# Altium PCB TransceiverBoard.PcbDoc (part 1 of 2) (continued)
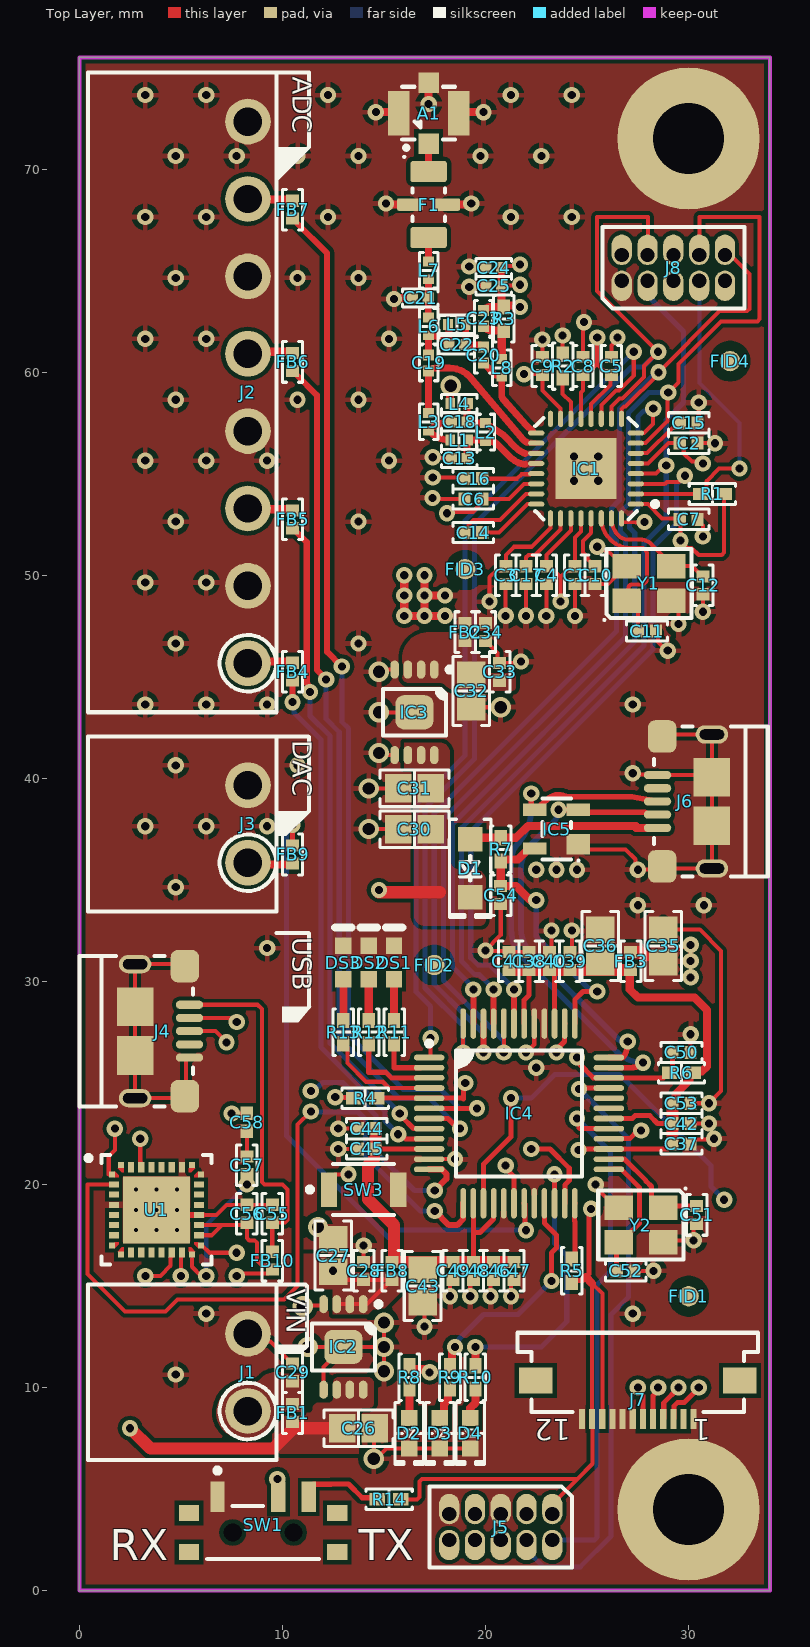
[diagram p0: Top Layer view]
## Part data (continued)
DS1 DS2 DS3: library part CMP-2000-07115-1, "Standard Type Mini-Molded Chip LED, Red, 2 V, 20 mA, -30 to 85 degC, 2-Pin SMD, RoHS, Tape and Reel", Color=Red, Forward (Drive) Current=20mA, Forward Voltage=2V, Manufacturer=Rohm, Package Description="2-Pin Surface Mount Device, Body 1.6 x 0.8 mm", Package Reference=SML-31X, Datasheet URL=http://media.digikey.com/pdf/Data%20Sheets/Rohm%20PDFs/SML-310%20Series.pdf, Datasheet Version="Rev. 1.1, 07/2004", Dimension=1.6x0.8x0.8mm, Intensity=4mcd, Lens Type=Clear, Manufacturer URL=http://www.rohm.com/web/global/, Mounting Technology=SurfaceMount, Viewing Angle=140°
F1: library part "SCH - RF - FILTER - MINICIRCUITS LFCN-490", "490MHz Low Pass Filter"
FB1 FB2 FB3 FB4 FB5 FB6 FB7 FB8 FB9 FB10: library part "Ferrite Chip", "Ferrite Beads Multi-Layer 1KOhm 25% 100MHz 350mA 490mOhm DCR 0402 T/R", Case Code (Imperial)=0402, Case Code (Metric)=1005, Current Rating=350mA, DC Resistance (DCR)=490mR, Manufacturer 1=Murata, Max Operating Temperature=125°C, Min Operating Temperature=-55°C, Package Quantity=1, Supplier Part Number 1=490-5442-1-ND, Test Frequency=100MHz, Tolerance=25%, Case/Package=0402, Category="Ferrite Beads and Chips", ComponentLink1Description=https://datasheet.ciiva.com/41425/001171674-da-01-en-chip-drossel0402-1000r-350ma-1-0x0-5mm-41425706.pdf?src-supplier=Conrad, ComponentLink1URL=https://datasheet.ciiva.com/41425/001171674-da-01-en-chip-drossel0402-1000r-350ma-1-0x0-5mm-41425706.pdf?src-supplier=Conrad, ComponentLink2Description=https://datasheet.ciiva.com/41449/001172166-da-01-en-drossel-0402-1000r-31-0x0-5mm-10000st-41449452.pdf?src-supplier=Conrad, ComponentLink2URL=https://datasheet.ciiva.com/41449/001172166-da-01-en-drossel-0402-1000r-31-0x0-5mm-10000st-41449452.pdf?src-supplier=Conrad, ComponentLink3Description=https://datasheet.ciiva.com/1012/l0110e-1012389.pdf?src-supplier=Digi-Key, ComponentLink3URL=https://datasheet.ciiva.com/1012/l0110e-1012389.pdf?src-supplier=Digi-Key, ComponentLink4Description=https://datasheet.ciiva.com/1012/l0110e-1012390.pdf?src-supplier=Digi-Key, ComponentLink4URL=https://datasheet.ciiva.com/1012/l0110e-1012390.pdf?src-supplier=Digi-Key, ComponentLink5Description=https://datasheet.ciiva.com/1012/l0110e-1012391.pdf?src-supplier=Digi-Key, ComponentLink5URL=https://datasheet.ciiva.com/1012/l0110e-1012391.pdf?src-supplier=Digi-Key, ComponentLink6Description=https://datasheet.ciiva.com/16420/l0110s0100blm15ax-sn-16420798.pdf?src-supplier=Future+Electronics, ComponentLink6URL=https://datasheet.ciiva.com/16420/l0110s0100blm15ax-sn-16420798.pdf?src-supplier=Future+Electronics, Depth=0.5mm, Height=0.5mm, Impedance=1kR, Lead Free="Lead Free", Length=1mm, Manufacturer Part Number 1=BLM15AX102SN1D, Material=Ferrite,Steel, Max Current Rating=350mA, Max DC Current=350mA, Number of Circuits=1, Number of Lines=1, Number of Pins=2, Packaging="Tape and Reel", Pricing 1="1=0.11000, 10=0.09000, 25=0.08120, 50=0.05960, 100=0.05140, 250=0.04060, 500=0.03428, 1000=0.02886, 5000=0.02571 (USD)", REACH SVHC="No SVHC", RoHS=Yes, Stock 1=214606, Supplier 1=Digi-Key, Termination=SMD/SMT, Width=0.5mm
IC1: library part "SCH - RF - IC - TI CC1120", "RF Transceiver Ultra-Hi Perf RF Narrowbd Transceiver", Case/Package=VQFN, Current - Receiving=27mA, Current - Transmitting=56mA, Frequency=960MHz, Manufacturer 1="Texas Instruments", Manufacturer Part Number 1=CC1125RHBT, Max Operating Temperature=85°C, Max Supply Voltage=3.6V, Min Operating Temperature=-40°C, Min Supply Voltage=2V, Package Quantity=250, Supplier Part Number 1=296-38891-1-ND, Category="Interface ICs", ComponentLink1Description=https://datasheet.ciiva.com/12179/swrs120a-224860-12179361.pdf?src-supplier=Mouser, ComponentLink1URL=https://datasheet.ciiva.com/12179/swrs120a-224860-12179361.pdf?src-supplier=Mouser, ComponentLink2Description=https://datasheet.ciiva.com/46417/1816568-46417707.pdf?src-supplier=Element14, ComponentLink2URL=https://datasheet.ciiva.com/46417/1816568-46417707.pdf?src-supplier=Element14, ComponentLink3Description=https://datasheet.ciiva.com/46417/1816568-46417708.pdf?src-supplier=Element14, ComponentLink3URL=https://datasheet.ciiva.com/46417/1816568-46417708.pdf?src-supplier=Element14, Contact Plating=Gold,Silver, Data Rate=200Kbps, Density=0B, Interface=SPI, Lead Free="Lead Free", Max Frequency=960MHz, Memory Size=256B, Mount="Surface Mount", Number of GPIO=4, Number of Pins=32, Number of Receivers=1, Number of Transmitters=1, Packaging="Tape and Reel", Pricing 1="1=6.66000, 10=5.94800, 25=5.35360, 100=4.87760 (USD)", REACH SVHC="No SVHC", RoHS=Yes, Sensitivity=-120dBm, Stock 1=160, Supplier 1=Digi-Key
IC2 IC3: library part "LT LT1965 DD/MS8E", "IC REG LINEAR 3.3V 1.1A 8MSOP", Case/Package=SOP, Dropout Voltage=310mV, Manufacturer 1="Analog Devices / Linear Technology", Max Input Voltage=20V, Max Operating Temperature=125°C, Min Current Limit=1.2A, Min Input Voltage=1.8V, Min Operating Temperature=-40°C, Operating Supply Current=500uA, Output Current=1.1A, Output Voltage=3.3V, Package Quantity=50, Power Supply Rejection Ratio (PSRR)=75dB, Supplier Part Number 1=LT1965EMS8E-3.3#PBF-ND, Category="Voltage Regulators - Switching", ComponentLink1Description=https://datasheet.ciiva.com/2041/25320-2041526.pdf?src-supplier=Digi-Key, ComponentLink1URL=https://datasheet.ciiva.com/2041/25320-2041526.pdf?src-supplier=Digi-Key, Manufacturer Part Number 1=LT1965EMS8E-3.3#PBF, Number of Outputs=1, Number of Pins=8, Number of Regulators=1, Packaging=Rail/Tube, Polarity=Positive, Pricing 1="1=3.95000, 25=2.77000, 100=2.36000, 250=2.26560, 500=2.19480 (USD)", RoHS=Yes, Stock 1=719, Supplier 1=Digi-Key
IC4: "IC MCU 32BIT 256KB FLASH 48LQFP", Case/Package=LQFP, Frequency=72MHz, Manufacturer 1="NXP Semiconductors", Manufacturer Part Number 1=LPC1549JBD48QL, Max Operating Temperature=105°C, Max Power Dissipation=1.5W, Max Supply Voltage=3.6V, Min Operating Temperature=-40°C, Min Supply Voltage=2.4V, Operating Supply Voltage=3.3V, Package Quantity=250, Supplier Part Number 1=568-11349-ND, Category=Microcontrollers, ComponentLink1Description=https://datasheet.ciiva.com/29718/lpc15xx-29718838.pdf?src-supplier=Digi-Key, ComponentLink1URL=https://datasheet.ciiva.com/29718/lpc15xx-29718838.pdf?src-supplier=Digi-Key, ComponentLink2Description=https://datasheet.ciiva.com/46427/1802143-46427720.pdf?src-supplier=Element14, ComponentLink2URL=https://datasheet.ciiva.com/46427/1802143-46427720.pdf?src-supplier=Element14, Core Architecture=ARM, Data Bus Width=32b, Interface=I2C,SPI,USB,CAN,UART,USART, Lead Free="Lead Free", Max Frequency=72MHz, Memory Size=256KB, Memory Type=FLASH, Number of ADC Channels=16, Number of I/Os=30, Number of Pins=48, Number of Programmable I/O=30, Number of Timers/Counters=4, Oscillator Type=Internal, Packaging=Tray, Peripherals="Brown-out Detect/Reset,POR,PWM,WDT,DMA", Pricing 1="1=7.29000, 10=6.58500, 25=6.27920, 100=5.45210, 500=4.74766, 1000=4.13505 (USD)", Radiation Hardening=No, RAM Size=36KB, REACH SVHC="No SVHC", RoHS=Yes, Stock 1=822, Supplier 1=Digi-Key, Watchdog Timer=Yes, Weight=6.287584oz
IC5: library part "NXP PRTR5V0U2X", "TVS DIODE 5.5V SOT143B", Manufacturer 1="Nexperia USA", Manufacturer Part Number 1=PRTR5V0U2X,215, Supplier Part Number 1=1727-3884-1-ND, ComponentLink1Description=https://assets.nexperia.com/documents/data-sheet/PRTR5V0U2X.pdf?src-supplier=Digi-Key, ComponentLink1URL=https://assets.nexperia.com/documents/data-sheet/PRTR5V0U2X.pdf?src-supplier=Digi-Key, Pricing 1="1=0.52000, 10=0.44700, 100=0.33400, 500=0.26240, 1000=0.20276 (USD)", RoHS=No, Stock 1=224080, Supplier 1=Digi-Key
J1 J3: "TERM BLOCK HDR 2POS 90DEG 3.81MM", Manufacturer 1=Amphenol, Manufacturer Part Number 1=OQ0232510000G, Supplier Part Number 1=609-3819-ND, ComponentLink1Description=http://www.anytek.com.tw/UserUpFiles/20120526/jMKyryrC5T7A.pdf?src-supplier=Digi-Key, ComponentLink1URL=http://www.anytek.com.tw/UserUpFiles/20120526/jMKyryrC5T7A.pdf?src-supplier=Digi-Key, Pricing 1="1=0.49000, 10=0.25600, 25=0.18120, 50=0.15420, 100=0.14870, 250=0.12572, 500=0.11628, 1000=0.10275, 5000=0.07842 (USD)", RoHS=No, Stock 1=14534, Supplier 1=Digi-Key
J2: "TERM BLOCK HDR 8POS 90DEG 3.81MM", Manufacturer 1="Amphenol Anytek", Manufacturer Part Number 1=OQ0832510000G, Supplier Part Number 1=609-3825-ND, ComponentLink1Description=http://www.anytek.com.tw/UserUpFiles/20120526/jMKyryrC5T7A.pdf?src-supplier=Digi-Key, ComponentLink1URL=http://www.anytek.com.tw/UserUpFiles/20120526/jMKyryrC5T7A.pdf?src-supplier=Digi-Key, Pricing 1="1=1.06000, 10=0.66200, 25=0.56640, 50=0.50920, 100=0.49860, 250=0.42432, 500=0.40310, 1000=0.36067, 5000=0.28217 (USD)", RoHS=No, Stock 1=4787, Supplier 1=Digi-Key
J4 J6: library part "USB 2.0 Type B Micro", "CONN RCPT USB2.0 MICRO B SMD R/A", Color=Black, Current Rating=1.8A, Flammability Rating="UL94 V-0", Insulation Resistance=1GR, Manufacturer 1="Amphenol FCI", Manufacturer Part Number 1=10118193-0001LF, Max Operating Temperature=85°C, Max Voltage Rating (AC)=100V, Min Operating Temperature=-55°C, Package Quantity=1200, Supplier Part Number 1=609-4616-1-ND, Category="USB Connectors", ComponentLink1Description=https://datasheet.ciiva.com/851/10118193-851106.pdf?src-supplier=Digi-Key, ComponentLink1URL=https://datasheet.ciiva.com/851/10118193-851106.pdf?src-supplier=Digi-Key, ComponentLink2Description=https://datasheet.ciiva.com/14802/10118193-0001lf-webpage-14802386.pdf?src-supplier=Arrow, ComponentLink2URL=https://datasheet.ciiva.com/14802/10118193-0001lf-webpage-14802386.pdf?src-supplier=Arrow, ComponentLink3Description=https://datasheet.ciiva.com/26853/getdatasheetpartid-418618-26853893.pdf?src-supplier=Verical, ComponentLink3URL=https://datasheet.ciiva.com/26853/getdatasheetpartid-418618-26853893.pdf?src-supplier=Verical, ComponentLink4Description=https://datasheet.ciiva.com/4598/10118193ac-197151-4598799.pdf?src-supplier=Mouser, ComponentLink4URL=https://datasheet.ciiva.com/4598/10118193ac-197151-4598799.pdf?src-supplier=Mouser, ComponentLink5Description=https://datasheet.ciiva.com/851/10118193-851107.pdf?src-supplier=Digi-Key, ComponentLink5URL=https://datasheet.ciiva.com/851/10118193-851107.pdf?src-supplier=Digi-Key, ComponentLink6Description=https://datasheet.ciiva.com/851/10118193-851108.pdf?src-supplier=Digi-Key, ComponentLink6URL=https://datasheet.ciiva.com/851/10118193-851108.pdf?src-supplier=Digi-Key, ComponentLink7Description=https://datasheet.ciiva.com/14618/70236827-14618887.pdf?src-supplier=Allied+Electronics, ComponentLink7URL=https://datasheet.ciiva.com/14618/70236827-14618887.pdf?src-supplier=Allied+Electronics, Connector Type=USB,Receptacle, Contact Material="Copper Alloy", Contact Plating=Gold, Depth=5.67mm, Features=Shielded, Gender=Female, Housing Material=Polymer, Length=7.86mm, Mount="Surface Mount,Horizontal", Number of Contacts=5, Number of Ports=1, Number of Terminals=5, Orientation="Right Angle", Packaging="Tape and Reel", Pitch=0.65mm, Pricing 1="1=0.43000, 10=0.40500, 25=0.36440, 50=0.32400, 100=0.31040, 250=0.28344, 500=0.26994 (USD)", Radiation Hardening=No, RoHS=Yes, Stock 1=110752, Supplier 1=Digi-Key, Termination=Solder, Voltage Rating=100V
J7: library part CMP-1502-01575-1, "SMT ZIF Connectors Low Profile WR-FPC, Horizontal, Bottom Contact, pitch 0.5 mm, 12 pins", Contact Resistance=30mOhm, Manufacturer="Wurth Elektronik", Operating Temperature=-25to85degC, Rated Current=0.4A, Withstanding Voltage=250VAC, Working Voltage=50VAC, Contact Design=BottomContact, Datasheet URL=https://katalog.we-online.de/em/datasheet/687112183722.pdf, Manufacturer URL=http://www.we-online.de, Mounting Technology=SMT, Orientation=Horizontal, Package Reference=687112183722, Packaging=TapeandReel, Part Number=687112183722, Pin Number=12, Pitch=0.5mm, Publisher=WurthElektronik
J8: library part SWD_CC
L1 L4: library part Inductor, "Inductor RF Chip Unshielded Wirewound 27nH 2% 100MHz 30Q-Factor Non Magnetic 680mA 288mOhm DCR 0402 T/R", Case Code (Imperial)=0402, Case Code (Metric)=1005, Current Rating=680mA, DC Resistance (DCR)=288mR, Manufacturer 1=Murata, Manufacturer Part Number 1=LQW15AN27NG80D, Max Operating Temperature=125°C, Min Operating Temperature=-55°C, Package Quantity=10000, Self Resonant Frequency=4GHz, Supplier Part Number 1=490-18129-1-ND, Test Frequency=100MHz, Tolerance=2%, Case/Package=0402, Category="Fixed Inductors", ComponentLink1Description=https://datasheet.ciiva.com/24050/product-24050902.pdf?src-supplier=Mouser, ComponentLink1URL=https://datasheet.ciiva.com/24050/product-24050902.pdf?src-supplier=Mouser, Composition=Wirewound, Core Material=Ferrite, Height=0.5mm, Height - Seated (Max)=0.024inch, Inductance=27nH, Length=0.039inch, Max DC Current=680mA, Mount="Surface Mount", Packaging="Tape and Reel", Pricing 1="1=0.25000, 10=0.22100, 100=0.15180, 500=0.12972, 1000=0.09936, 2500=0.09384 (USD)", Q Factor=30, RoHS=Yes, Shielding=Unshielded, Stock 1=4331, Supplier 1=Digi-Key, Termination=SMD/SMT, Width=0.024inch
L2 L8: library part Inductor, "Fixed Inductors 56nH 2%", Case Code (Imperial)=0402, Case Code (Metric)=1005, Current=700mA, Current Rating=200mA, DC Resistance (DCR)=1.17R, Manufacturer 1=Murata, Manufacturer Part Number 1=LQW15AN56NG00D, Max Operating Temperature=125°C, Min Operating Temperature=-55°C, Package Quantity=10000, Self Resonant Frequency=2.8GHz, Supplier Part Number 1=490-6830-1-ND, Test Frequency=100MHz, Tolerance=2%, Case/Package=0402, Category="Fixed Inductors", ComponentLink1Description=https://datasheet.ciiva.com/11799/0900766b8090d800-11799113.pdf?src-supplier=RSComponents, ComponentLink1URL=https://datasheet.ciiva.com/11799/0900766b8090d800-11799113.pdf?src-supplier=RSComponents, ComponentLink2Description=https://datasheet.ciiva.com/6709/l0075s0080lqw15a-00-6709925.pdf?src-supplier=Digi-Key, ComponentLink2URL=https://datasheet.ciiva.com/6709/l0075s0080lqw15a-00-6709925.pdf?src-supplier=Digi-Key, ComponentLink3Description=https://datasheet.ciiva.com/8507/l0075s0080lqw15a-00-8507590.pdf?src-supplier=Avnet, ComponentLink3URL=https://datasheet.ciiva.com/8507/l0075s0080lqw15a-00-8507590.pdf?src-supplier=Avnet, ComponentLink4Description=https://datasheet.ciiva.com/6709/l0075s0080lqw15a-00-6709927.pdf?src-supplier=Digi-Key, ComponentLink4URL=https://datasheet.ciiva.com/6709/l0075s0080lqw15a-00-6709927.pdf?src-supplier=Digi-Key, ComponentLink5Description=https://datasheet.ciiva.com/6709/l0075s0080lqw15a-00-6709929.pdf?src-supplier=Digi-Key, ComponentLink5URL=https://datasheet.ciiva.com/6709/l0075s0080lqw15a-00-6709929.pdf?src-supplier=Digi-Key, ComponentLink6Description=https://datasheet.ciiva.com/4976/product-4976445.pdf?src-supplier=Mouser, ComponentLink6URL=https://datasheet.ciiva.com/4976/product-4976445.pdf?src-supplier=Mouser, ComponentLink7Description=https://datasheet.ciiva.com/17278/l0075s0080lqw15a-00-17278510.pdf?src-supplier=Avnet+Europe, ComponentLink7URL=https://datasheet.ciiva.com/17278/l0075s0080lqw15a-00-17278510.pdf?src-supplier=Avnet+Europe, Core Material=Air,Ferrite, DC Current=200mA, Depth=0.6mm, Height=0.5mm, Inductance=56nH, Lead Free="Lead Free", Length=1mm, Max DC Current=200mA, Military Standard=Not, Mount="Surface Mount", Packaging="Tape and Reel", Pricing 1="1=0.19000, 10=0.17100, 100=0.11390, 500=0.09488, 1000=0.07970, 2500=0.06831 (USD)", Q Factor=25, Radiation Hardening=No, RoHS=Yes, Shielding=Unshielded, Stock 1=20707, Supplier 1=Digi-Key, Termination=SMD/SMT, Weight=2.8E-05oz, Width=0.02inch
L3 L5: library part Inductor, "FIXED IND 15NH 1.15A 114 MOHM", Case Code (Imperial)=0402, Case Code (Metric)=1005, Current Rating=1.15A, DC Resistance (DCR)=114mR, ESR (Equivalent Series Resistance)=60R, Frequency=40MHz, Frequency Stability=25ppm, Frequency Tolerance=10ppm, Load Capacitance=8pF, Manufacturer 1=Murata, Manufacturer Part Number 1=LQW15AN15NG8ZD, Max Operating Temperature=125°C, Min Operating Temperature=-55°C, Ratings=AEC-Q200, Self Resonant Frequency=5.5GHz, Supplier Part Number 1=490-15341-1-ND, Test Frequency=100MHz, Tolerance=2%, Case/Package=0402, ComponentLink1Description=http://search.murata.co.jp/Ceramy/image/img/P02/JELF243A-9138.pdf?src-supplier=Digi-Key, ComponentLink1URL=http://search.murata.co.jp/Ceramy/image/img/P02/JELF243A-9138.pdf?src-supplier=Digi-Key, Composition=Wirewound, Core Material=Non-Magnetic, Inductance=15nH, Mount="Surface Mount", Packaging="Cut Tape", Pricing 1="1=0.25000, 10=0.22500, 100=0.15500, 500=0.13242, 1000=0.10143, 2500=0.09580 (USD)", RoHS=No, Shielding=Unshielded, Stock 1=236, Supplier 1=Digi-Key
L6: library part Inductor, "Fixed Inductors 43nH 2% 100MHz", Case Code (Imperial)=0402, Case Code (Metric)=1005, Current=200mA, Current Rating=250mA, DC Resistance (DCR)=700mR, Inductance Tolerance=2%, Manufacturer 1=Murata, Manufacturer Part Number 1=LQW15AN43NG00D, Max Operating Temperature=125°C, Min Operating Temperature=-55°C, Package Quantity=1, Self Resonant Frequency=3GHz, Supplier Part Number 1=490-6817-1-ND, Test Frequency=100MHz, Case/Package=0402, Category="Fixed Inductors", ComponentLink1Description=https://datasheet.ciiva.com/30488/0900766b8125623e-30488999.pdf?src-supplier=RSComponents, ComponentLink1URL=https://datasheet.ciiva.com/30488/0900766b8125623e-30488999.pdf?src-supplier=RSComponents, ComponentLink2Description=https://datasheet.ciiva.com/8507/l0075s0080lqw15a-00-8507514.pdf?src-supplier=Avnet, ComponentLink2URL=https://datasheet.ciiva.com/8507/l0075s0080lqw15a-00-8507514.pdf?src-supplier=Avnet, ComponentLink3Description=https://datasheet.ciiva.com/6709/l0075s0080lqw15a-00-6709983.pdf?src-supplier=Digi-Key, ComponentLink3URL=https://datasheet.ciiva.com/6709/l0075s0080lqw15a-00-6709983.pdf?src-supplier=Digi-Key, Core Material=Air,Ferrite, DC Current=250mA, Depth=0.6mm, Height=0.5mm, Inductance=43nH, Length=1mm, Max DC Current=250mA, Military Standard=Not, Mount="Surface Mount", Packaging="Tape and Reel", Pricing 1="1=0.19000, 10=0.17100, 100=0.11390, 500=0.09488, 1000=0.07970, 2500=0.06831 (USD)", Q Factor=25, REACH SVHC="No SVHC", RoHS=Yes, Shielding=Unshielded, Stock 1=19392, Supplier 1=Digi-Key, Termination=SMD/SMT, Tolerance=2%, Weight=2.8E-05oz, Width=0.5mm
L7: library part Inductor, "FIXED IND 22NH 780MA 202 MOHM", Case Code (Imperial)=0402, Case Code (Metric)=1005, Current Rating=780mA, DC Resistance (DCR)=202mR, Manufacturer 1=Murata, Manufacturer Part Number 1=LQW15AN22NG8ZD, Max Operating Temperature=125°C, Min Operating Temperature=-55°C, Ratings=AEC-Q200, Self Resonant Frequency=4.5GHz, Supplier Part Number 1=490-15363-1-ND, Test Frequency=100MHz, Tolerance=2%, Case/Package=0402, ComponentLink1Description=http://search.murata.co.jp/Ceramy/image/img/P02/JELF243A-9138.pdf?src-supplier=Digi-Key, ComponentLink1URL=http://search.murata.co.jp/Ceramy/image/img/P02/JELF243A-9138.pdf?src-supplier=Digi-Key, Composition=Wirewound, Core Material=Non-Magnetic, Inductance=22nH, Mount="Surface Mount", Packaging="Cut Tape", Pricing 1="1=0.25000, 10=0.22500, 100=0.15500, 500=0.13242, 1000=0.10143, 2500=0.09580 (USD)", RoHS=No, Shielding=Unshielded, Stock 1=10361, Supplier 1=Digi-Key
R1: library part Resistor, "RES SMD 10K OHM 5% 1/16W 0402", Case Code (Imperial)=0402, Case Code (Metric)=1005, Manufacturer 1=Yageo, Manufacturer Part Number 1=RC0402JR-0710KL, Max Operating Temperature=155°C, Max Power Dissipation=63mW, Min Operating Temperature=-55°C, Package Quantity=1, Power Rating=62.5mW, Supplier Part Number 1=311-10KJRCT-ND, Temperature Coefficient=100ppm/°C, Tolerance=5%, Voltage Rating=50V, Case/Package=0402, Category="Chip SMD Resistors", ComponentLink1Description=https://datasheet.ciiva.com/2452/pyu-r-int-thick-7-2452626.pdf?src-supplier=Digi-Key, ComponentLink1URL=https://datasheet.ciiva.com/2452/pyu-r-int-thick-7-2452626.pdf?src-supplier=Digi-Key, ComponentLink2Description=https://datasheet.ciiva.com/7850/1018594-7850136.pdf?src-supplier=Element14, ComponentLink2URL=https://datasheet.ciiva.com/7850/1018594-7850136.pdf?src-supplier=Element14, ComponentLink3Description=https://datasheet.ciiva.com/2452/pyu-r-int-thick-7-2452627.pdf?src-supplier=Digi-Key, ComponentLink3URL=https://datasheet.ciiva.com/2452/pyu-r-int-thick-7-2452627.pdf?src-supplier=Digi-Key, ComponentLink4Description=https://datasheet.ciiva.com/2452/pyu-r-int-thick-7-2452628.pdf?src-supplier=Digi-Key, ComponentLink4URL=https://datasheet.ciiva.com/2452/pyu-r-int-thick-7-2452628.pdf?src-supplier=Digi-Key, ComponentLink5Description=https://datasheet.ciiva.com/7850/1018594-7850137.pdf?src-supplier=Element14, ComponentLink5URL=https://datasheet.ciiva.com/7850/1018594-7850137.pdf?src-supplier=Element14, ComponentLink6Description=https://datasheet.ciiva.com/12669/pyu-rc0402-51-rohs-l-6-r-12669687.pdf?src-supplier=Mouser, ComponentLink6URL=https://datasheet.ciiva.com/12669/pyu-rc0402-51-rohs-l-6-r-12669687.pdf?src-supplier=Mouser, Composition="Thick Film", Depth=0.5mm, Features="Moisture Resistant", Height=0.016inch, Lead Free="Lead Free", Length=1mm, Military Standard=Not, Number of Terminations=2, Packaging="Tape and Reel", Pricing 1="1=0.10000, 10=0.01300, 100=0.00530, 1000=0.00236, 2500=0.00205, 5000=0.00169 (USD)", REACH SVHC=Unknown, Resistance=10kR, RoHS=Yes, Stock 1=30477294, Supplier 1=Digi-Key, Termination=SMD/SMT, Width=0.02inch
R2: library part Resistor, "RES SMD 56K OHM 5% 1/16W 0402", Case Code (Imperial)=0402, Case Code (Metric)=1005, Manufacturer 1=Yageo, Manufacturer Part Number 1=RC0402JR-0756KL, Max Operating Temperature=155°C, Min Operating Temperature=-55°C, Power Rating=63mW, Supplier Part Number 1=311-56KJRCT-ND, Temperature Coefficient=100ppm/°C, Tolerance=5%, Voltage Rating=50V, Case/Package=0402, Category="Chip SMD Resistors", ComponentLink1Description=https://datasheet.ciiva.com/7850/1018594-7850229.pdf?src-supplier=Element14, ComponentLink1URL=https://datasheet.ciiva.com/7850/1018594-7850229.pdf?src-supplier=Element14, ComponentLink2Description=https://datasheet.ciiva.com/12577/pyu-rc0402-51-rohs-l-6-r-12577526.pdf?src-supplier=Mouser, ComponentLink2URL=https://datasheet.ciiva.com/12577/pyu-rc0402-51-rohs-l-6-r-12577526.pdf?src-supplier=Mouser, ComponentLink3Description=https://datasheet.ciiva.com/15189/getdatasheetpartid-251833-15189574.pdf?src-supplier=Verical, ComponentLink3URL=https://datasheet.ciiva.com/15189/getdatasheetpartid-251833-15189574.pdf?src-supplier=Verical, ComponentLink4Description=https://datasheet.ciiva.com/16742/pyu-rc0402-51-rohs-l-6-r-16742167.pdf?src-supplier=Future+Electronics, ComponentLink4URL=https://datasheet.ciiva.com/16742/pyu-rc0402-51-rohs-l-6-r-16742167.pdf?src-supplier=Future+Electronics, ComponentLink5Description=https://datasheet.ciiva.com/7983/1018594-7983592.pdf?src-supplier=Element14, ComponentLink5URL=https://datasheet.ciiva.com/7983/1018594-7983592.pdf?src-supplier=Element14, ComponentLink6Description=https://datasheet.ciiva.com/16862/pyu-rc0402-51-rohs-l-6-16862495.pdf?src-supplier=Avnet+Europe, ComponentLink6URL=https://datasheet.ciiva.com/16862/pyu-rc0402-51-rohs-l-6-16862495.pdf?src-supplier=Avnet+Europe, Composition="Thick Film", Contact Plating=Tin,Matte, Depth=0.5mm, Height=0.35mm, Lead Free="Lead Free", Length=1mm, Military Standard=Not, Number of Terminations=2, Packaging="Tape and Reel", Pricing 1="1=0.10000, 10=0.01300, 100=0.00530, 1000=0.00236, 2500=0.00205, 5000=0.00169 (USD)", Radiation Hardening=No, REACH SVHC=Unknown, Resistance=56kR, RoHS=Yes, Stock 1=498633, Supplier 1=Digi-Key, Termination=SMD/SMT, Weight=2.3E-05oz, Width=0.5mm, Working Voltage=50V
R3: library part Resistor, "YAGEO (PHYCOMP)         RC0402FR-0718RL             SMD Chip Resistor, Thick Film, 18 ohm, 50 V, 0402 [1005 Metric], 63 mW,  1%, RC Series", Case Code (Imperial)=0402, Case Code (Metric)=1005, Manufacturer 1=Yageo, Manufacturer Part Number 1=RC0402FR-0718RL, Max Operating Temperature=155°C, Max Power Dissipation=63mW, Min Operating Temperature=-55°C, Power Rating=62.5mW, Supplier Part Number 1=YAG3021CT-ND, Temperature Coefficient=100ppm/°C, Tolerance=1%, Voltage Rating=50V, Case/Package=0402, Category="Chip SMD Resistors", ComponentLink1Description=https://datasheet.ciiva.com/17332/pyu-rc0402-51-rohs-l-6-17332587.pdf?src-supplier=Future+Electronics, ComponentLink1URL=https://datasheet.ciiva.com/17332/pyu-rc0402-51-rohs-l-6-17332587.pdf?src-supplier=Future+Electronics, ComponentLink2Description=https://datasheet.ciiva.com/12577/pyu-rc0402-51-rohs-l-6-r-12577388.pdf?src-supplier=Mouser, ComponentLink2URL=https://datasheet.ciiva.com/12577/pyu-rc0402-51-rohs-l-6-r-12577388.pdf?src-supplier=Mouser, Composition="Thick Film", Depth=0.5mm, Features="Moisture Resistant", Height=0.016inch, Lead Free="Lead Free", Length=1mm, Military Standard=Not, Number of Terminations=2, Packaging="Tape and Reel", Pricing 1="1=0.10000, 10=0.01600, 100=0.00640, 1000=0.00289, 2500=0.00251, 5000=0.00207 (USD)", REACH SVHC=Unknown, Resistance=18R, RoHS=Yes, Stock 1=229549, Supplier 1=Digi-Key, Termination=SMD/SMT, Weight=2.3E-05oz, Width=0.02inch
R4 R5 R6: library part Resistor, "RES 10K OHM 5% 1/16W 0402", Case Code (Imperial)=0402, Case Code (Metric)=1005, Manufacturer 1="Stackpole Electronics", Manufacturer Part Number 1=RMCF0402JT10K0, Max Operating Temperature=155°C, Max Power Dissipation=63mW, Min Operating Temperature=-55°C, Power Rating=62.5mW, Supplier Part Number 1=RMCF0402JT10K0CT-ND, Temperature Coefficient=100ppm/°C, Tolerance=5%, Working Voltage=50V, Case/Package=0402, Category="Chip SMD Resistors", ComponentLink1Description=https://datasheet.ciiva.com/15193/getdatasheetpartid-360689-15193431.pdf?src-supplier=Verical, ComponentLink1URL=https://datasheet.ciiva.com/15193/getdatasheetpartid-360689-15193431.pdf?src-supplier=Verical, Composition="Thick Film", Contact Plating=Tin,Matte, Depth=0.5mm, Features="Automotive AEC-Q200", Height=0.016inch, Lead Free="Lead Free", Length=1mm, Military Standard=Not, Mount="Surface Mount", Number of Terminations=2, Packaging="Tape and Reel", Pricing 1="1=0.10000, 10=0.01200, 100=0.00480, 1000=0.00214, 2500=0.00186, 5000=0.00154 (USD)", Radiation Hardening=No, Resistance=10kR, RoHS=Yes, Stock 1=966187, Supplier 1=Digi-Key, Width=0.02inch
R7: library part Resistor, "RES SMD 68 OHM 5% 1/16W 0402", Case Code (Imperial)=0402, Case Code (Metric)=1005, Manufacturer 1="Stackpole Electronics", Manufacturer Part Number 1=RMCF0402JT68R0, Max Operating Temperature=155°C, Max Power Dissipation=63mW, Min Operating Temperature=-55°C, Supplier Part Number 1=RMCF0402JT68R0CT-ND, Temperature Coefficient=100ppm/°C, Tolerance=5%, Case/Package=0402, Category="Chip SMD Resistors", ComponentLink1Description=https://www.seielect.com/Catalog/SEI-RMCF_RMCP.pdf?src-supplier=Digi-Key, ComponentLink1URL=https://www.seielect.com/Catalog/SEI-RMCF_RMCP.pdf?src-supplier=Digi-Key, ComponentLink2Description=https://www.seielect.com/catalog/SEI-Packaging.pdf?src-supplier=Digi-Key, ComponentLink2URL=https://www.seielect.com/catalog/SEI-Packaging.pdf?src-supplier=Digi-Key, ComponentLink3Description=https://www.seielect.com/catalog/SEI-RMCF_RMCP.pdf?src-supplier=Avnet, ComponentLink3URL=https://www.seielect.com/catalog/SEI-RMCF_RMCP.pdf?src-supplier=Avnet, ComponentLink4Description=http://www.seielect.com/Catalog/Sei-RMC.pdf?src-supplier=Future+Electronics, ComponentLink4URL=http://www.seielect.com/Catalog/Sei-RMC.pdf?src-supplier=Future+Electronics, Composition="Thick Film", Contact Plating=Tin,Matte, Features="Automotive AEC-Q200", Height=0.016inch, Lead Free="Lead Free", Length=0.039inch, Mount="Surface Mount", Number of Terminations=2, Packaging="Tape and Reel", Power Rating=63mW, Pricing 1="1=0.10000, 10=0.01200, 100=0.00480, 1000=0.00214, 2500=0.00186, 5000=0.00154 (USD)", Radiation Hardening=No, Resistance=68R, RoHS=Yes, Stock 1=5952, Supplier 1=Digi-Key, Width=0.02inch
R8: library part Resistor, "KOA SPEAR ELECTRONICS - RK73B1JTTD470J - RES, 47R, 5%, 0.1W, 0603, THICK FILM", Case Code (Imperial)=0603, Case Code (Metric)=1608, Manufacturer 1="KOA Speer", Manufacturer Part Number 1=RK73B1JTTD470J, Max Operating Temperature=155°C, Min Operating Temperature=-55°C, Power Rating=100mW, Supplier Part Number 1=2019-RK73B1JTTD470JCT-ND, Temperature Coefficient=200ppm/°C, Tolerance=5%, Voltage Rating=50V, Case/Package=0603, Category="Chip SMD Resistors", ComponentLink1Description=https://datasheet.ciiva.com/5554/rk73b-5554549.pdf?src-supplier=Mouser, ComponentLink1URL=https://datasheet.ciiva.com/5554/rk73b-5554549.pdf?src-supplier=Mouser, ComponentLink2Description=https://datasheet.ciiva.com/7763/548635-7763063.pdf?src-supplier=Element14, ComponentLink2URL=https://datasheet.ciiva.com/7763/548635-7763063.pdf?src-supplier=Element14, Composition="Thick Film", Depth=0.8mm, Height=0.45mm, Lead Free="Lead Free", Length=1.6mm, Military Standard=Not, Number of Pins=2, Packaging="Tape and Reel", Pricing 1="1=0.10000, 10=0.01500, 100=0.00610, 1000=0.00275, 2500=0.00239 (USD)", REACH SVHC=Unknown, Resistance=47R, RoHS=Yes, Stock 1=401047, Supplier 1=Digi-Key, Termination=SMD/SMT, Voltage Rating (DC)=50V
R9: library part Resistor, "Res Thick Film 0603 150 Ohm 5% 0.1W(1/10W) ±200ppm/C Molded SMD Automotive Punched Paper T/R", Case Code (Imperial)=0603, Case Code (Metric)=1608, Manufacturer 1="KOA Speer", Manufacturer Part Number 1=RK73B1JTTD151J, Max Operating Temperature=155°C, Min Operating Temperature=-55°C, Package Quantity=5000, Power Rating=100mW, Supplier Part Number 1=2019-RK73B1JTTD151JCT-ND, Temperature Coefficient=200ppm/°C, Tolerance=5%, Voltage Rating=50V, Case/Package=0603, Category="Chip SMD Resistors", ComponentLink1Description=https://datasheet.ciiva.com/5554/rk73b-5554597.pdf?src-supplier=Mouser, ComponentLink1URL=https://datasheet.ciiva.com/5554/rk73b-5554597.pdf?src-supplier=Mouser, ComponentLink2Description=https://datasheet.ciiva.com/7984/548635-7984858.pdf?src-supplier=Element14, ComponentLink2URL=https://datasheet.ciiva.com/7984/548635-7984858.pdf?src-supplier=Element14, ComponentLink3Description=https://datasheet.ciiva.com/15159/getdatasheetpartid-30094-15159292.pdf?src-supplier=Verical, ComponentLink3URL=https://datasheet.ciiva.com/15159/getdatasheetpartid-30094-15159292.pdf?src-supplier=Verical, Composition="Thick Film", Depth=0.8mm, Height=0.45mm, Lead Free="Lead Free", Length=1.6mm, Military Standard=Not, Packaging="Tape and Reel", Pricing 1="1=0.10000, 10=0.01500, 100=0.00610, 1000=0.00275, 2500=0.00239 (USD)", REACH SVHC=Unknown, Resistance=150R, RoHS=Yes, Stock 1=242234, Supplier 1=Digi-Key, Termination=SMD/SMT, Voltage Rating (DC)=50V, Width=0.8mm
R10: library part Resistor, "KOA SPEER ELECTRONICS   RK73B1JTTD121J   Surface Mount Chip Resistor, Thick Film, RK73B Series, 120 ohm, 100 mW,  5%, 50 V", Case Code (Imperial)=0603, Case Code (Metric)=1608, Manufacturer 1="KOA Speer", Manufacturer Part Number 1=RK73B1JTTD121J, Max Operating Temperature=155°C, Min Operating Temperature=-55°C, Package Quantity=5000, Power Rating=100mW, Supplier Part Number 1=2019-RK73B1JTTD121JCT-ND, Temperature Coefficient=200ppm/°C, Tolerance=5%, Voltage Rating=50V, Case/Package=0603, Category="Chip SMD Resistors", ComponentLink1Description=https://datasheet.ciiva.com/15159/getdatasheetpartid-72392-15159751.pdf?src-supplier=Verical, ComponentLink1URL=https://datasheet.ciiva.com/15159/getdatasheetpartid-72392-15159751.pdf?src-supplier=Verical, ComponentLink2Description=https://datasheet.ciiva.com/7773/548635-7773279.pdf?src-supplier=Element14, ComponentLink2URL=https://datasheet.ciiva.com/7773/548635-7773279.pdf?src-supplier=Element14, Composition="Thick Film", Depth=0.8mm, Height=0.45mm, Lead Free="Lead Free", Length=1.6mm, Military Standard=Not, Number of Pins=2, Packaging="Tape and Reel", Pricing 1="1=0.10000, 10=0.01500, 100=0.00610, 1000=0.00275, 2500=0.00239 (USD)", REACH SVHC=Unknown, Resistance=120R, RoHS=Yes, Stock 1=13683, Supplier 1=Digi-Key, Termination=SMD/SMT, Voltage Rating (DC)=50V, Width=0.8mm
R11 R12 R13: library part Resistor, "KOA SPEER ELECTRONICS   RK73B1JTTD121J   Surface Mount Chip Resistor, Thick Film, RK73B Series, 120 ohm, 100 mW,  5%, 50 V", Case/Package=0603, Case Code (Metric)=1608, Manufacturer 1="KOA Speer", Manufacturer Part Number 1=RK73B1JTTD121J, Max Operating Temperature=155°C, Min Operating Temperature=-55°C, Package Quantity=5000, Power Rating=100mW, Supplier Part Number 1=2019-RK73B1JTTD121JCT-ND, Temperature Coefficient=200ppm/°C, Tolerance=5%, Voltage Rating=50V, Case Code (Imperial)=0603, Category="Chip SMD Resistors", ComponentLink1Description=https://datasheet.ciiva.com/15159/getdatasheetpartid-72392-15159751.pdf?src-supplier=Verical, ComponentLink1URL=https://datasheet.ciiva.com/15159/getdatasheetpartid-72392-15159751.pdf?src-supplier=Verical, ComponentLink2Description=https://datasheet.ciiva.com/7773/548635-7773279.pdf?src-supplier=Element14, ComponentLink2URL=https://datasheet.ciiva.com/7773/548635-7773279.pdf?src-supplier=Element14, Composition="Thick Film", Depth=0.8mm, Height=0.45mm, Lead Free="Lead Free", Length=1.6mm, Military Standard=Not, Number of Pins=2, Packaging="Tape and Reel", Pricing 1="1=0.10000, 10=0.01500, 100=0.00610, 1000=0.00275, 2500=0.00239 (USD)", REACH SVHC=Unknown, Resistance=120R, RoHS=Yes, Stock 1=13683, Supplier 1=Digi-Key, Termination=SMD/SMT, Voltage Rating (DC)=50V, Width=0.8mm
R14: library part Resistor, "RES 10K OHM 5% 1/16W 0402", Case/Package=0402, Case Code (Metric)=1005, Manufacturer 1="Stackpole Electronics", Manufacturer Part Number 1=RMCF0402JT10K0, Max Operating Temperature=155°C, Max Power Dissipation=63mW, Min Operating Temperature=-55°C, Power Rating=62.5mW, Supplier Part Number 1=RMCF0402JT10K0CT-ND, Temperature Coefficient=100ppm/°C, Tolerance=5%, Working Voltage=50V, Case Code (Imperial)=0402, Category="Chip SMD Resistors", ComponentLink1Description=https://datasheet.ciiva.com/15193/getdatasheetpartid-360689-15193431.pdf?src-supplier=Verical, ComponentLink1URL=https://datasheet.ciiva.com/15193/getdatasheetpartid-360689-15193431.pdf?src-supplier=Verical, Composition="Thick Film", Contact Plating=Tin,Matte, Depth=0.5mm, Features="Automotive AEC-Q200", Height=0.016inch, Lead Free="Lead Free", Length=1mm, Military Standard=Not, Mount="Surface Mount", Number of Terminations=2, Packaging="Tape and Reel", Pricing 1="1=0.10000, 10=0.01200, 100=0.00480, 1000=0.00214, 2500=0.00186, 5000=0.00154 (USD)", Radiation Hardening=No, Resistance=10kR, RoHS=Yes, Stock 1=966187, Supplier 1=Digi-Key, Width=0.02inch
SW1: library part CMP-2000-06884-1, "Ultraminiature Slide Switch, SPDT, 0.3 A, 6 V, -20 to 85 degC, 3-Pin SMD, RoHS, Tape and Reel", Contact Current-Max=0.3A, Manufacturer="C&K Components", Package Description="3-Pin Surface Mount Device, Body 6.7 x 2.6 mm", Circuitry=SPDT, Contact Material=SilverOverCopper, Datasheet URL=http://www.ck-components.com/media/1424/pcm.pdf, Datasheet Version=02/2016, Manufacturer URL=http://www.ckswitches.com/, Mounting Technology=SurfaceMount, Package Reference=PCM12SMTR, Switch Operation=On-On, Termination Style=RightAngle/SurfaceMount
SW3: library part CMP-2100-03586-1, "Ultra-Small Tactile Switch, 0.05 A, 12 V, -25 to 70 degC, 2-Pin SMD, RoHS, Tape and Reel", Case/Package=SMD/SMT, Contact Current Rating=50mA, Insulation Resistance=100MOhm, Manufacturer="Omron Electronic Components", Max Operating Temperature=70degC, Min Operating Temperature=-25degC, Operating Force=1.5N, Package Description="2-Pin Surface Mount Device, Body 3 x 2.5 mm", Package Quantity=1, Package Reference=B3U-1000, Voltage Rating (DC)=12V, Actuator Length=0.4mm, Contact Material=Silver, Current Rating=50mA, Datasheet URL=http://www.omron.com/ecb/products/pdf/en-b3u.pdf, Datasheet Version=42005.0, Depth=2.5mm, Electrical Life=200000Cycles, Height=1.2mm, Illumination Type=Illuminated, Lead Free=LeadFree, Length=4mm, Manufacturer URL=http://www.omron.com/, Max Current Rating=50mA, Mount=SurfaceMount, Orientation=Straight, Packaging=TapeandReel, REACH SVHC=Unknown, RoHSCompliant=true, Switch Travel=0.15mm, Termination=SMD/SMT, Throw Configuration=SPST, Weight=0.022g, Width=3mm
U1: library part CMP-0078-00009-3, "USB UART Asynchronous Serial Data Transfer Chip, 32-pin QFN, Tape and Reel", Manufacturer=FTDI, ComponentLink1Description="Manufacturer URL", ComponentLink1URL=http://www.ftdichip.com/, ComponentLink2Description=Datasheet, ComponentLink2URL=http://www.ftdichip.com/Support/Documents/DataSheets/ICs/DS_FT232R.pdf, DatasheetVersion="ver 2.10, Mar-2012", PackageDescription="32-Pin Quad Flat No-Lead 0.5 mm Pitch, Pullback, 3.2 x 3.2 mm Exposed Pad", PackageReference=PQFN5X5-32, PackageVersion=Mar-12, PartNumber=FT232RQ-Reel, RevisionNote="DatasheetVersion updated to 2.10 Mar-2012"
Y1: library part "Abracon Crystal ABM8G", "CRYSTAL 32.0000MHZ 10PF SMD", Case/Package=CSMD, ESR (Equivalent Series Resistance)=50R, Frequency Stability=30ppm, Load Capacitance=10pF, Manufacturer 1=Abracon, Manufacturer Part Number 1=ABM8G-32.000MHZ-B4Y-T, Max Operating Temperature=70°C, Min Operating Temperature=-20°C, Package Quantity=1000, Supplier Part Number 1=535-10302-1-ND, Category=Crystals, ComponentLink1Description=https://datasheet.ciiva.com/855/abm8g-855344.pdf?src-supplier=Digi-Key, ComponentLink1URL=https://datasheet.ciiva.com/855/abm8g-855344.pdf?src-supplier=Digi-Key, ComponentLink2Description=https://datasheet.ciiva.com/3176/abm8g-3176102.pdf?src-supplier=Avnet, ComponentLink2URL=https://datasheet.ciiva.com/3176/abm8g-3176102.pdf?src-supplier=Avnet, ComponentLink3Description=https://datasheet.ciiva.com/855/abm8g-855342.pdf?src-supplier=Digi-Key, ComponentLink3URL=https://datasheet.ciiva.com/855/abm8g-855342.pdf?src-supplier=Digi-Key, ComponentLink4Description=https://datasheet.ciiva.com/4945/abm8g-10572-4945294.pdf?src-supplier=Mouser, ComponentLink4URL=https://datasheet.ciiva.com/4945/abm8g-10572-4945294.pdf?src-supplier=Mouser, ComponentLink5Description=https://datasheet.ciiva.com/855/abm8g-855343.pdf?src-supplier=Digi-Key, ComponentLink5URL=https://datasheet.ciiva.com/855/abm8g-855343.pdf?src-supplier=Digi-Key, ComponentLink6Description=https://datasheet.ciiva.com/7998/abm8g-7998639.pdf?src-supplier=Element14, ComponentLink6URL=https://datasheet.ciiva.com/7998/abm8g-7998639.pdf?src-supplier=Element14, Depth=2.5mm, Frequency=32MHz, Frequency Tolerance=30ppm, Height=0.039inch, Lead Free="Lead Free", Length=3.2mm, Mount="Surface Mount", Number of Pins=4, Packaging="Tape and Reel", Pricing 1="1=0.94000, 10=0.83500, 50=0.78040, 100=0.68970, 500=0.65340 (USD)", REACH SVHC=Unknown, RoHS=Yes, Series Resistance=50R, Stock 1=51278, Supplier 1=Digi-Key, Termination=SMD/SMT, Tolerance=30ppm, Width=0.098inch
Y2: library part "Abracon Crystal ABM8G", "CRYSTAL 12.0000MHZ 18PF SMD", Case/Package=SMD/SMT, ESR (Equivalent Series Resistance)=120R, Frequency Stability=30ppm, Frequency Tolerance=20ppm, Load Capacitance=18pF, Manufacturer 1=Abracon, Manufacturer Part Number 1=ABM8G-12.000MHZ-18-D2Y-T3, Max Operating Temperature=85°C, Min Operating Temperature=-40°C, Package Quantity=3000, Supplier Part Number 1=535-14128-1-ND, Category=Crystals, ComponentLink1Description=https://datasheet.ciiva.com/862/abm8g-862338.pdf?src-supplier=Digi-Key, ComponentLink1URL=https://datasheet.ciiva.com/862/abm8g-862338.pdf?src-supplier=Digi-Key, ComponentLink2Description=https://datasheet.ciiva.com/16411/abm8g-16411115.pdf?src-supplier=Future+Electronics, ComponentLink2URL=https://datasheet.ciiva.com/16411/abm8g-16411115.pdf?src-supplier=Future+Electronics, Frequency=12MHz, Height=0.039inch, Lead Free="Lead Free", Length=0.126inch, Mount="Surface Mount", Number of Pins=4, Packaging="Tape and Reel", Pricing 1="1=1.00000, 10=0.88600, 50=0.82780, 100=0.73150, 500=0.69300, 1000=0.57750 (USD)", RoHS=Yes, Series Resistance=120R, Stock 1=1612, Supplier 1=Digi-Key, Termination=SMD/SMT, Tolerance=20ppm, Width=0.098inch

## Free pads (board coordinates)
  round 7 hole 3.5: M(30,4) M(30,71.5)

## Via types
v1: diameter 0.8, hole 0.4, Top Layer to Bottom Layer, 199 vias
v2: diameter 1, hole 0.6, Top Layer to Bottom Layer, 14 vias
v3: diameter 0.5, hole 0.2, Top Layer to Bottom Layer, tented top, 9 vias
v4: diameter 0.8/0.8/0.8/0.8 (per signal layer), hole 0.4, Top Layer to Bottom Layer, 4 vias

## Nets (pads, with @x,y where several pads share a name; then routed paths per layer and width w, separated by ;. In a path a pad name is that pad's centre, name@x,y a point inside that pad or via, vN(x,y) a via of type N, cw(c..) or ccw(c..) an arc to the next point about the centre after c; other vN are vias at no path point)
3V3: C27.2 C28.2 C35.2 FB3.2 FB8.2 IC2.1 IC2.2 IC2.3 R8.1 | length 46.9
  Top Layer w0.2: C27.2@12.5,15.7 12.89,15.31 C28.2@14,15.31 FB8.2@15.38,15.31 ; IC2.3@12.675,14.105 IC2.2@13.325,14.105 IC2.1@13.975,14.105 14.175,14.105 FB8.2@15.38,15.31 ; FB8.2@15.4,15.31 FB8.2@15.38,15.31 ; 29.463,31.6 29.574,31.6 29.66,31.685 29.985,31.685 v1(30.1,31.8) v1(30.1,31)
  Top Layer w0.4: R8.1@16.25,11.075 16.25,11 16.35,10.9 16.992,10.9 17.142,10.75 v1(17.25,10.75)
  Top Layer w0.6: FB3.2@27.15,31.44 27.597,31.44 27.737,31.3 28.35,31.3 28.6,31.05 28.6,31 C35.2@28.65,31
  Layer 1 w0.25: 11.25,15.25 11.7,15.7 ; 14.6,15.7 16.1,14.2 16.1,12.4 17.145,11.355 17.145,10.855 v1(17.25,10.75)
  Layer 1 w1: 11.7,15.7 14.6,15.7 21.756,15.7 22.406,16.35 25.05,16.35 29,20.3 29,29.1 v1(30.1,30.2)
  other v1: 12.5,15.75
5VIN: C26.2 C30.2 C31.2 D1.2 FB1.1 IC2.6 IC2.7 IC2.8 IC3.6 IC3.7 IC3.8 | length 54.2
  Top Layer w0.6: v1(2.5,8) 3.5,7 9.55,7 10.55,8 C26.2@12.95,8 ; v1@14.747,34.39 17.75,34.39
  Layer 2 w0.4: v1(2.5,8) 0.75,9.75 0.75,32.25 2.339,33.839 14.089,33.839 v1(14.75,34.5)
ADC_IN0: FB4.2 IC4.9 | length 26.1
  Top Layer w0.25: v1(15.7,22.475) 15.849,22.475 16.074,22.25 IC4.9@17.225,22.25
  Top Layer w0.3: v1(10.5,43.75) FB4.2@10.5,44.81
  Bottom Layer w0.25: v1(10.5,43.75) 10.573,43.677 10.573,43.227 11.9,41.9 11.9,26.764 15.05,23.614 15.05,23.125 v1(15.7,22.475)
ADC_IN1: FB5.2 IC4.8 | length 32.9
  Top Layer w0.25: v1(15.775,23.5) 15.878,23.397 15.878,23.329 16.452,22.756 17.219,22.756 IC4.8@17.225,22.75
  Top Layer w0.3: FB5.2@10.5,52.31 10.52,52.31 11.2,51.63 11.2,44.681 11.267,44.613 11.267,44.351 v1(11.363,44.255)
  Layer 1 w0.3: v1@11.363,44.137 v1(11.363,44.255)
  Bottom Layer w0.25: v1(11.363,44.255) 11.363,43.073 12.35,42.086 12.35,26.95 15.775,23.525 v1(15.775,23.5)